# Altium PCB motordriver-v5.1_willem.PcbDoc (part 4 of 6)
Units mil, origin at the board's own origin, x right, y up, seen from the top; angles counter-clockwise.
Board outline 3985.43 x 6141.73 mil, 4 copper layers (Top Copper, Signal Layer 1, Signal Layer 2, Bottom Copper), stack 46.063 mil thick; 731 components, 510 nets, 2436 pads, 771 vias.
Unrouted connection lines stored in the file: 766.
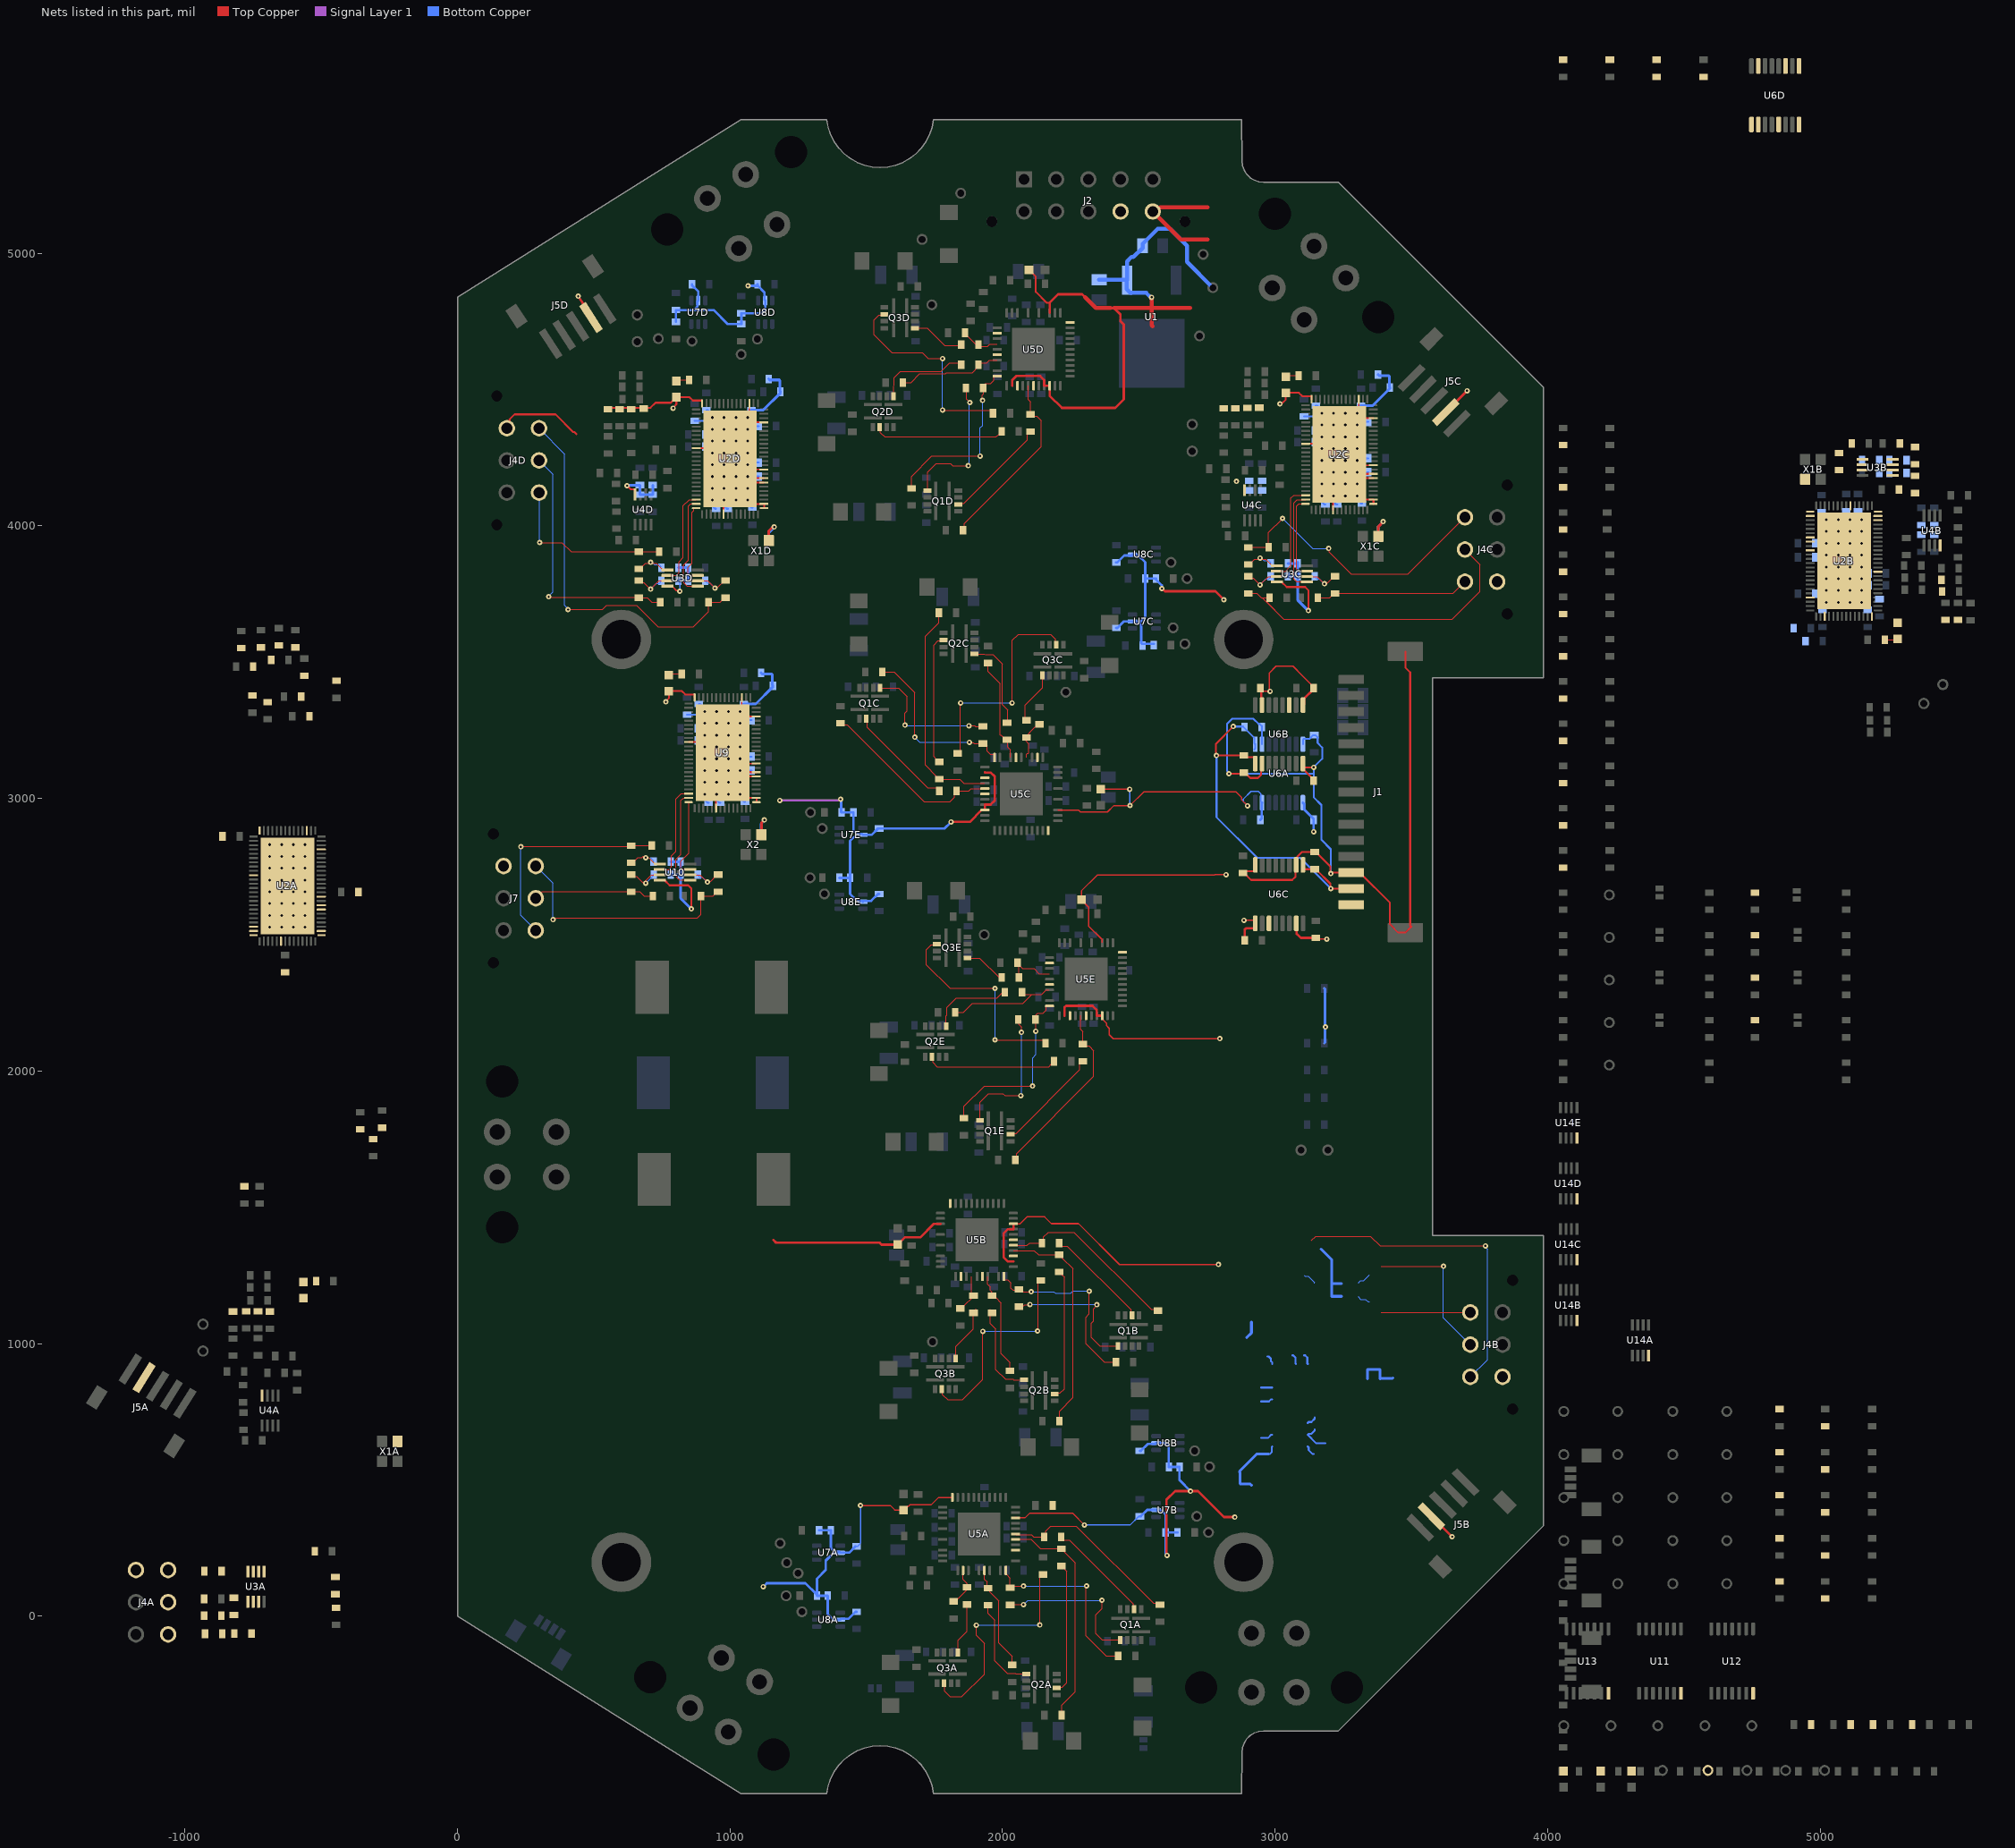
[diagram p6: the nets of this part, all layers, seen from the top]

## Via types
v1: diameter 19.68, hole 7.87, Top Copper to Bottom Copper, tented both sides, 476 vias
v2: diameter 24, hole 10, Top Copper to Bottom Copper, 160 vias
v3: diameter 19.68, hole 7.87, Top Copper to Bottom Copper, 80 vias
v4: diameter 30, hole 15, Top Copper to Bottom Copper, tented both sides, 55 vias

## Nets (pads, with @x,y where several pads share a name; then routed paths per layer and width w, separated by ;. In a path a pad name is that pad's centre, name@x,y a point inside that pad or via, vN(x,y) a via of type N, cw(c..) or ccw(c..) an arc to the next point about the centre after c; other vN are vias at no path point) (continued)
GND: C1.1 C2.1 C4A.1 C4B.1 C4C.1 C4D.1 C5A.1 C5B.1 C5C.1 C5D.1 C6A.1 C6B.1 C6C.1 C6D.1 C7A.1 C7B.1 C7C.1 C7D.1 C8A.1 C8B.1 C8C.1 C8D.1 C9A.1 C9B.1 C9C.1 C9D.1 C10A.1 C10B.1 C10C.1 C10D.1 C11A.1 C11B.1 C11C.1 C11D.1 C12A.1 C12B.1 C12C.1 C12D.1 C13A.1 C13B.1 C13C.1 C13D.1 C14A.1 C14B.1 C14C.1 C14D.1 C15A.1 C15B.1 C15C.1 C15D.1 C16A.1 C16B.1 C16C.1 C16D.1 C17A.1 C17B.1 C17C.1 C17D.1 C18A.1 C18B.1 C18C.1 C18D.1 C19A.1 C19B.1 C19C.1 C19D.1 C20A.1 C20B.1 C20C.1 C20D.1 C21A.1 C21B.1 C21C.1 C21D.1 C22A.1 C22B.1 C22C.1 C22D.1 C23A.1 C23B.1 C23C.1 C23D.1 C24A.1 C24B.1 C24C.1 C24D.1 C25A.1 C25B.1 C25C.1 C25D.1 C26A.1 C26B.1 C26C.1 C26D.1 C27A.1 C27B.1 C27C.1 C27D.1 C45A.1 C45B.1 C45C.1 C45D.1 C46A.1 C46B.1 C46C.1 C46D.1 C46E.1 C47A.1 C47B.1 C47C.1 C47D.1 C47E.1 C48A.1 C48B.1 C48C.1 C48D.1 C48E.1 C49A.1 C49B.1 C49C.1 C49D.1 C49E.1 C50A.1 C50B.1 C50C.1 C50D.1 C50E.1 C51A.1 C51B.1 C51C.1 C51D.1 C51E.1 C52.1 C53.1 C54.1 C55.1 C56.1 C57.1 C58.1 C59.1 C60.1 C61.1 C62.1 C63.1 C64.1 C65.1 C66.1 C67.1 C68.1 C69.1 C70A.1 C70B.1 C70C.1 C70D.1 C70E.1 C72.1 C73.1 C74C.1 D2A.2 D2B.2 D2C.2 D2D.2 D6A.2 D6B.2 D6C.2 D6D.2 D6E.2 D7.2 D8.2 D9.2 D10.2 J2.9 J2.10 J4A.4 J4B.4 J4C.4 J4D.4 J5A.4 J5B.4 J5C.4 J5D.4 J7.4 R20A.2 R20B.2 R20C.2 R20D.2 R21A.2 R21B.2 R21C.2 R21D.2 R58A.2 R58B.2 R58C.2 R58D.2 R68A.2 R68B.2 R68C.2 R68D.2 R68E.2 R72A.2 R72B.2 R72C.2 R72D.2 R72E.2 R79.2 R80.2 TP9.1 U1.1 U2A.3 U2A.14 U2A.24 U2A.44 U2A.53 U2A.54 U2A.59 U2A.60 U2A.62 U2A.73 U2A.77 U2B.3 U2B.14 U2B.24 U2B.44 U2B.53 U2B.54 U2B.59 U2B.60 U2B.62 U2B.73 U2B.77 U2C.3 U2C.14 U2C.24 U2C.44 U2C.53 U2C.54 U2C.59 U2C.60 U2C.62 U2C.73 U2C.77 U2D.3 U2D.14 U2D.24 U2D.44 U2D.53 U2D.54 U2D.59 U2D.60 U2D.62 U2D.73 U2D.77 U3A.4 U3B.4 U3C.4 U3D.4 U4A.4 U4B.4 U4C.4 U4D.4 U5A.2 U5A.8 U5A.21 U5B.2 U5B.8 U5B.21 U5C.2 U5C.8 U5C.21 U5D.2 U5D.8 U5D.21 U5E.2 U5E.8 U5E.21 U6A.9 U6A.15 U6B.9 U6B.15 U6C.9 U6C.15 U6D.9 U6D.15 U7A.2 U7B.2 U7C.2 U7D.2 U7E.2 U8A.2 U8B.2 U8C.2 U8D.2 U8E.2 U9.3 U9.14 U9.24 U9.44 U9.53 U9.54 U9.59 U9.60 U9.62 U9.73 U9.77 U10.4 U11.7 U12.7 U13.7 U14A.4 U14B.4 U14C.4 U14D.4 U14E.4 X1A.2 X1B.2 X1C.2 X1D.2 X2.2 | length 22460.9
  Top Copper w5: U3D.4@770.67,3778.7 787.4,3778.7 803.3,3762.81 813.13,3762.81 v1(815.94,3760) ; v2(1037.48,3145.63) 1055.2,3127.91 U9.62@1096.54,3127.91 ; v2(1037.48,3318.86) 1043.39,3324.76 U9.3@1043.39,3370.04 ; v2(1065.04,4181.06) 1090.63,4206.65 U2D.62@1124.09,4206.65 ; v2(1065.04,4397.6) 1070.94,4403.5 U2D.3@1070.94,4448.78 ; v1(1479,406) 1588,406 1604.64,389.36 D6A.2@1636.79,389.36 1650.04,402.61 1654.61,402.61 1660,408 1738,408 1765.19,435.19 U5A.21@1815.64,435.19 ; U5B.8@2040.05,1439.13 2064.15,1439.13 2089.63,1464.61 2154.62,1464.61 2179.37,1439.87 2278.99,1439.87 2429.03,1289.82 v1(2792,1289.82) ; U5A.8@2047.92,360.39 U5A.8@2050.34,362.81 ; U5A.8@2050.34,360.39 2082.39,360.39 2100,378 2256.73,378 v1(2300.48,334.25) ; 2202.98,2957.44 2278.56,2957.44 2286,2950 2385,2950 2409,2974 v1(2468,2974) 2518.34,3024.34 2857.18,3024.34 2876.69,3004.84 2876.69,2995.31 v1(2899,2973) ; D6C.2@2360.39,3033.47 v1(2467,3033.47) ; U5E.8@2365.39,2202.98 2365.39,2191.17 2381.49,2175.07 2381.49,2166.57 2391.9,2156.17 2391.9,2133.17 2406.67,2118.39 2796.39,2118.39 v1(2797,2119) ; 2365.39,2470.69 2365.39,2482.5 2316.38,2531.52 2316.38,2601.1 D6E.2@2289.37,2628.11 2289.37,2660.48 2347.14,2718.25 2777.21,2718.25 2778.96,2720 v1(2820,2720) ; v1(2886,2553) 2921.81,2553 2927.74,2547.07 U6C.9@2927.74,2541.61 ; C45B.1@2946.36,3404.31 C45B.1@2946.36,3405.24 ; C45B.1@2952.29,3398.38 2952.29,3396.85 2955.67,3393.48 2976.74,3393.48 v1@2979,3395.74 ; v1(2981.76,3392.98) v1@2979,3395.74 ; R58B.2@3141.36,3401.3 3141.36,3409.17 3099.02,3451.51 3099.02,3451.98 3066,3485 3004,3485 2979,3460 v1@2979,3395.74 ; C45C.1@3149.61,2488.19 3153.8,2484 v1(3190,2484) ; v2(3301.26,4240.12) 3318.98,4222.4 U2C.62@3360.31,4222.4 ; v2(3301.26,4413.35) 3307.17,4419.25 U2C.3@3307.17,4464.53
  Top Copper w7: J4D.4@181.1,4358.27 191.29,4368.45 191.29,4390.64 209.65,4409 359.86,4409 424.54,4344.32 428.69,4344.32 437,4336.01 ; C4D.1@552,4433.5 594,4433.5 637,4433.5 684,4433.5 708.5,4433.5 727,4452 782.71,4452 D2D.2@803.15,4472.44 ; v1(622.16,4147.38) 635.26,4134.28 647.91,4134.28 651.47,4130.72 U4D.4@651.47,4115.31 ; U10.4@743.11,2699.96 759.84,2699.96 778.7,2681.1 846.46,2681.1 858.27,2669.29 v1(858.27,2594.49) ; v1(764.43,3354.32) 764.43,3356.29 775.59,3367.45 D7.2@775.59,3393.7 823.74,3393.7 835.96,3381.48 870.07,3381.48 870.16,3381.39 U9.14@870.16,3370.04 ; v1(791.25,4431.79) 791.25,4434.29 803.15,4446.19 D2D.2@803.15,4472.44 ; U9.24@848.5,3206.65 889.84,3206.65 v2(907.56,3188.94) ; U2D.24@876.06,4285.39 917.4,4285.39 v2(935.12,4267.68) ; U2D.14@897.72,4448.78 897.72,4460.13 897.63,4460.22 863.52,4460.22 851.3,4472.44 D2D.2@803.15,4472.44 ; U9.44@948.9,2964.53 948.9,3013.74 v2(950.87,3015.71) ; U2D.44@976.46,4043.27 976.46,4092.48 v2(978.43,4094.45) ; v2(1037.48,3015.71) 1051.26,3001.93 1097.43,3001.93 1097.52,3001.84 1097.52,2986.27 1097.43,2986.18 U9.53@1096.54,2986.18 ; v2(1037.48,3059.02) 1059.13,3080.67 U9.59@1096.54,3080.67 ; v2(1037.48,3102.32) 1043.39,3096.42 U9.60@1096.54,3096.42 ; v2(1037.48,3318.86) 1055.2,3301.14 U9.73@1096.54,3301.14 ; v2(1065.04,4094.45) 1078.82,4080.67 1124.99,4080.67 1125.08,4080.58 1125.08,4065.01 1124.99,4064.92 U2D.53@1124.09,4064.92 ; v2(1065.04,4137.76) 1086.69,4159.41 U2D.59@1124.09,4159.41 ; v2(1065.04,4181.06) 1070.94,4175.16 U2D.60@1124.09,4175.16 ; v2(1065.04,4224.37) U2D.77@1082.76,4206.65 ; v2(1065.04,4397.6) 1082.76,4379.88 U2D.73@1124.09,4379.88 ; D6D.2@2097.05,4939.13 2122.05,4914.13 2122.05,4858.27 2161.57,4818.74 2173.07,4818.74 ; U3C.4@3006.89,3794.45 3023.62,3794.45 3042.48,3775.59 3110.23,3775.59 3122.05,3763.78 v1(3122.05,3688.98) ; v1(3018.2,4447.84) 3020.63,4450.27 3026.01,4450.27 3039.37,4463.63 D2C.2@3039.37,4488.19 3087.52,4488.19 3099.74,4475.97 3133.85,4475.97 3133.94,4475.88 U2C.14@3133.94,4464.53 ; U2C.24@3112.28,4301.14 3153.62,4301.14 v2(3171.34,4283.42) ; U2C.44@3212.68,4059.02 3212.68,4108.23 v2(3214.65,4110.2) ; v2(3301.26,4110.2) 3315.04,4096.42 3361.21,4096.42 3361.3,4096.33 3361.3,4080.76 3361.21,4080.67 U2C.53@3360.31,4080.67 ; v2(3301.26,4153.5) 3322.91,4175.16 U2C.59@3360.31,4175.16 ; v2(3301.26,4196.81) 3307.17,4190.91 U2C.60@3360.31,4190.91 ; v2(3301.26,4413.35) 3318.98,4395.63 U2C.73@3360.31,4395.63
  Top Copper w9: v1(442.91,4842.52) 463,4811.65 J5D.4@490.44,4764.49 ; 1159.59,1379.72 1169.14,1370.18 1549.03,1370.18 1556.11,1363.11 D6B.2@1614.92,1363.1 1641.26,1389.45 1697.63,1389.45 1747.31,1439.13 1772.33,1439.13 ; v1(1811,2914) 1880.01,2914 1923.45,2957.44 U5C.8@1935.26,2957.44 1935.26,2977.13 1935.52,2977.39 1956.56,2977.39 1971.37,2992.21 1971.37,3080.16 1956.56,3094.97 1935.52,3094.97 1935.26,3095.24 ; 2035.28,4514 2035.54,4514.26 2035.54,4535.3 2050.35,4550.11 2138.31,4550.11 2153.12,4535.3 2153.12,4514.26 2153.39,4514 U5D.8@2173.07,4514 2173.07,4477.73 2217.8,4433 2414,4433 2445,4464 2445,4739 2432.51,4751.49 2432.51,4776.15 2409.45,4799.21 2397,4799.21 ; 2040.05,1301.33 2039.79,1301.6 2018.75,1301.6 2003.94,1316.41 2003.94,1404.36 2018.75,1419.18 2039.79,1419.18 2040.05,1419.44 U5B.8@2040.05,1439.13 ; 2173.07,4781.72 2173.07,4818.74 2203.99,4849.66 2292.07,4849.66 2303.15,4838.58 ; 2227.6,2202.98 2227.6,2233.82 2232.87,2239.09 2330.63,2239.09 2345.44,2224.27 2345.44,2203.24 2345.71,2202.98 U5E.8@2365.39,2202.98 ; v1(2585,3770) 2585.61,3770 2595.61,3760 2781,3760 v1(2812,3729) ; v1(2603.43,222.58) 2601.66,224.35 2601.66,426.85 2633.49,458.67 2656.64,458.67 2657.05,458.26 v1(2690.04,458.26) 2717.14,458.26 2812.22,363.17 v1(2852.56,363.17) ; R58C.2@2888.74,2478.9 2888.74,2518.66 2894.01,2523.93 2923.38,2523.93 2927.74,2528.29 U6C.9@2927.74,2541.61 ; C45B.1@2949.36,3395.44 2949.36,3345.52 U6B.15@2952.36,3342.52 ; U6C.15@3077.74,2541.61 3079.32,2540.03 3079.32,2503.35 3094.48,2488.19 C45C.1@3149.61,2488.19 ; U6B.9@3102.36,3342.52 3106.72,3346.88 3106.72,3366.66 R58B.2@3141.36,3401.3 ; J5B.4@3574.23,366.29 3574.66,366.29 v1(3649.61,291.34) ; J5C.4@3625.98,4417.32 v1(3704.72,4496.06)
  Top Copper w10: X2.2@1115.16,2867.13 1115.16,2910.43 v1(1125.98,2921.26) ; X1D.2@1142.72,3945.87 1142.72,3981.54 1155.26,3994.08 1160.66,3994.08 v1(1162.51,3995.93) ; X1C.2@3378.94,3961.61 3378.94,3997.72 v1(3396.56,4015.34)
  Top Copper w15: 2303.15,4838.58 2342.52,4799.21 2397,4799.21 ; 2409.45,4799.21 2547.24,4799.21 ; v1(2547.24,4838.58) 2547.24,4799.21 ; 2551.18,4732.28 2547.24,4736.22 2547.24,4799.21 ; 2688.98,4799.21 2547.24,4799.21 ; 2751.97,5051.18 2653.54,5051.18 J2.10@2551.18,5153.54 2563.32,5153.54 2579.06,5169.29 2751.97,5169.29
  Signal Layer 1 w9: v1(1182.22,2992.77) 1398.88,2992.77 1403.11,2997 v1(1406,2997)
  Bottom Copper w5: C9D.1@811.02,3799.21 815.94,3794.3 v1(815.94,3760) ; C50A.1@1460.63,255.91 1468.5,255.91 1477.82,265.22 1477.82,266.96 1479,268.15 v1(1479,406) ; v1(2300.48,334.25) 2468.11,334.25 2500,366.14 C50B.1@2503.94,366.14 ; v1(2467,3033.47) 2467.5,3032.97 2467.5,2974.5 v1(2468,2974) ; v1(2899,2973) 2883,2989 2883,2997 2912,3026 2939.07,3026 2947.4,3017.67 2947.4,2989.22 U6A.15@2952.36,2984.25
  Bottom Copper w7: C59.1@842.52,3307.09 876.02,3307.09 885.06,3316.12 904.82,3316.12 v2(907.56,3318.86) 904.31,3322.11 904.31,3331.91 889.76,3346.46 C64.1@885.83,3346.46 ; C14D.1@870.08,4385.83 903.58,4385.83 v2(935.12,4354.29) 931.87,4351.04 921.9,4351.04 909.45,4338.58 C12D.1@909.45,4334.65 ; C57.1@881.53,3257.66 881.53,3261.6 895.49,3275.55 v2(907.56,3275.55) ; C58.1@881.89,3212.6 881.89,3216.54 890.2,3224.85 894.14,3224.85 898.28,3228.99 904.31,3228.99 v2(907.56,3232.24) ; v2(907.56,3015.71) 909.01,3014.26 909.01,2992.56 917.32,2984.25 C69.1@921.26,2984.25 ; C13D.1@909.45,4291.34 909.45,4295.28 921.9,4307.73 931.87,4307.73 v2(935.12,4310.98) ; C22D.1@913.39,4425.2 917.32,4425.2 931.87,4410.65 931.87,4400.85 v2(935.12,4397.6) ; v2(935.12,4094.45) 936.57,4093 936.57,4071.3 944.88,4062.99 C27D.1@948.82,4062.99 ; v2(950.87,3015.71) 952.32,3014.26 952.32,2992.56 960.63,2984.25 C60.1@964.57,2984.25 ; v2(978.43,4094.45) 979.88,4093 979.88,4071.3 988.19,4062.99 C15D.1@992.13,4062.99 ; v2(1037.48,3015.71) 1037.48,3011.11 1042.87,3005.72 1042.87,2996.5 1051.18,2988.19 C68.1@1055.12,2988.19 ; v2(1037.48,3102.32) 1078.7,3102.32 C67.1@1078.74,3102.36 ; v2(1037.48,3145.63) 1042.08,3145.63 1049.99,3153.54 C61.1@1078.74,3153.54 ; v2(1037.48,3275.55) 1042.08,3275.55 1053.93,3287.4 C66.1@1078.74,3287.4 ; v2(1037.48,3318.86) 1038.93,3320.31 1038.93,3338.15 1047.24,3346.46 C65.1@1051.18,3346.46 ; v2(1065.04,4094.45) 1065.04,4089.85 1070.43,4084.46 1070.43,4075.24 1078.74,4066.93 C26D.1@1082.68,4066.93 ; v2(1065.04,4181.06) 1106.26,4181.06 C25D.1@1106.3,4181.1 ; v2(1065.04,4224.37) 1069.64,4224.37 1077.55,4232.28 C16D.1@1106.3,4232.28 ; v2(1065.04,4354.29) 1069.64,4354.29 1081.49,4366.14 C24D.1@1106.3,4366.14 ; v2(1065.04,4397.6) 1066.49,4399.05 1066.49,4416.89 1074.8,4425.2 C23D.1@1078.74,4425.2 ; 2948.82,653.54 2973.63,653.54 2985.48,665.39 2990.08,665.39 ; 2948.82,787.4 2977.57,787.4 2985.48,795.32 2990.08,795.32 ; 2948.82,838.58 2948.86,838.62 2990.08,838.62 ; 2972.44,952.76 2976.38,952.76 2984.69,944.45 2984.69,935.23 2990.08,929.84 2990.08,925.24 ; 2976.38,594.49 2980.32,594.49 2988.63,602.8 2988.63,620.63 2990.08,622.09 ; 3062.99,956.69 3066.93,956.69 3075.24,948.38 3075.24,926.69 3076.69,925.24 ; 3106.3,956.69 3110.24,956.69 3118.55,948.38 3118.55,926.69 3120,925.24 ; C14C.1@3106.3,4401.57 3139.8,4401.57 3171.34,4370.04 3168.09,4366.79 3158.12,4366.79 3145.67,4354.33 C12C.1@3145.67,4350.39 ; 3120,622.09 3123.25,618.83 3123.25,609.03 3137.8,594.49 3141.73,594.49 ; 3120,708.7 3123.25,711.95 3133.21,711.95 3145.67,724.41 3145.67,728.35 ; 3145.67,685.04 3145.67,681.1 3133.21,668.65 3123.25,668.65 3120,665.39 3151.54,633.86 3185.04,633.86 ; C13C.1@3145.67,4307.09 3145.67,4311.02 3158.12,4323.48 3168.09,4323.48 v2(3171.34,4326.73) ; C22C.1@3149.61,4440.94 3153.54,4440.94 3168.09,4426.4 3168.09,4416.6 v2(3171.34,4413.35) ; v2(3171.34,4110.2) 3172.79,4108.74 3172.79,4087.05 3181.1,4078.74 C27C.1@3185.04,4078.74 ; v2(3214.65,4110.2) 3216.1,4108.74 3216.1,4087.05 3224.41,4078.74 C15C.1@3228.35,4078.74 ; v2(3301.26,4110.2) 3301.26,4105.6 3306.65,4100.21 3306.65,4090.99 3314.96,4082.68 C26C.1@3318.9,4082.68 ; v2(3301.26,4196.81) 3342.48,4196.81 C25C.1@3342.52,4196.85 ; v2(3301.26,4240.12) 3305.86,4240.12 3313.77,4248.03 C16C.1@3342.52,4248.03 ; v2@3301.26,4370.04 3305.86,4370.04 3317.71,4381.89 C24C.1@3342.52,4381.89 ; v2(3301.26,4413.35) 3302.71,4414.8 3302.71,4432.63 3311.02,4440.94 C23C.1@3314.96,4440.94
  Bottom Copper w9: v1@624.13,4149.35 C18D.1@667.44,4149.35 ; C46D.1@801.5,4748.55 C51D.1@801.5,4791.85 867.14,4791.85 ; C50D.1@860.55,4886.34 860.55,4882.4 883.86,4859.1 U7D.2@883.86,4826.77 880.64,4823.56 880.64,4805.36 867.14,4791.85 ; v1(1065.87,4880.98) 1099.28,4880.98 C47D.1@1100.71,4882.4 ; C47D.1@1100.71,4886.34 C47D.1@1100.71,4882.4 ; v1(1121.83,107.78) 1134.83,120.78 1276.86,120.78 C49A.1@1318.9,78.74 ; C46A.1@1326.77,314.96 C51A.1@1370.08,314.96 1370.08,249.32 1383.58,235.81 ; C49E.1@1401.57,2708.66 C48E.1@1440.94,2708.66 ; v1(1406,2997) 1407.72,2995.28 1407.72,2950.54 C46E.1@1409.45,2948.82 C51E.1@1452.76,2948.82 1452.76,2883.18 1466.26,2869.67 ; C50A.1@1460.63,255.91 1437.32,232.6 U7A.2@1405,232.6 1401.78,235.81 1383.58,235.81 ; C47A.1@1464.57,15.75 1460.63,15.75 1435.22,-9.66 1408.22,-9.66 U8A.2@1405,-12.87 1378.34,-12.87 1358.27,7.2 C48A.1@1358.27,74.8 C49A.1@1318.9,74.8 C49A.1@1318.9,78.74 ; C47E.1@1547.25,2649.6 1543.31,2649.61 1517.9,2624.2 1490.89,2624.2 U8E.2@1487.68,2620.98 1484.46,2624.2 1466.26,2624.2 1440.94,2649.52 C48E.1@1440.94,2708.66 ; v1(1811,2914) 1786.76,2889.76 C50E.1@1547.25,2889.76 1543.31,2889.76 1520,2866.46 U7E.2@1487.68,2866.46 1484.46,2869.67 1466.26,2869.67 ; C50C.1@2417.32,3625.98 2421.26,3625.98 2444.57,3649.29 U7C.2@2476.89,3649.29 ; C47C.1@2417.32,3866.14 2421.26,3866.14 2446.67,3891.55 2473.67,3891.55 U8C.2@2476.89,3894.76 2480.11,3891.55 2498.31,3891.55 2523.62,3866.23 C48C.1@2523.62,3807.09 ; C50B.1@2503.94,366.14 2507.87,366.14 2531.18,389.45 U7B.2@2563.5,389.45 2566.72,386.23 2584.92,386.23 2598.42,372.73 C51B.1@2598.43,307.09 ; C47B.1@2503.94,606.3 2507.87,606.3 2533.28,631.71 2560.29,631.71 U8B.2@2563.5,634.92 2597.36,634.92 2610.24,622.05 C48B.1@2610.24,547.24 C49B.1@2649.61,547.24 2649.61,498.69 v1(2690.04,458.26) ; C46C.1@2555.12,3566.93 2511.81,3566.93 2509.11,3569.63 2509.11,3635.28 2498.31,3646.08 2480.11,3646.08 U7C.2@2476.89,3649.29 ; v1(2585,3770) 2585,3781.14 2562.99,3803.15 C49C.1@2562.99,3807.09 C48C.1@2523.62,3807.09 ; v1(2603.43,222.58) 2603.43,225.47 2598.43,230.48 C51B.1@2598.43,307.09 ; C46B.1@2641.73,307.09 C51B.1@2598.43,307.09 ; C45A.1@2946.36,2921.54 2950.72,2925.9 2950.72,2982.61 U6A.15@2952.36,2984.25 ; U6A.9@3102.36,2984.25 3106.72,2979.89 3106.72,2960.11 3141.36,2925.47 R58A.2@3141.36,2921.54 3141.68,2921.21 3141.68,2878.32 v1(3142,2878) ; 3181.1,2102.36 3183.07,2104.33 3183.07,2159.45 v1(3185.04,2161.42) 3183.07,2163.39 3183.07,2301.18 3181.1,2303.15 ; 3385.83,870.08 3387.79,872.05 3431.1,872.05 3433.07,874.02 ; 867.14,4791.85 940.43,4791.85 991.61,4740.67 C49D.1@1041.65,4740.67 C48D.1@1041.65,4780.04 1116.46,4780.04 1129.33,4792.92 U8D.2@1129.33,4826.77 1126.11,4829.99 1126.11,4857 C47D.1@1100.71,4882.4 ; C49A.1@1318.9,78.74 1318.9,137.13 1351.24,169.47 1351.24,203.47 1383.58,235.81 ; C48E.1@1440.94,2708.66 1440.94,2844.36 1466.26,2869.67 ; U7C.2@2476.89,3649.29 2507.56,3649.29 2523.62,3665.35 C48C.1@2523.62,3807.09
  Bottom Copper w10: C18D.1@669.29,4149.61 C19D.1@669.29,4114.17 C11D.1@716.54,4114.17 C17D.1@716.54,4149.61 ; C55.1@783.46,2720.47 C56.1@818.9,2720.47 ; C54.1@783.46,2767.72 C53.1@818.9,2767.72 ; C9D.1@811.02,3799.21 C10D.1@846.46,3799.21 C7D.1@846.46,3846.46 ; C8D.1@811.02,3846.46 C7D.1@846.46,3846.46 ; C53.1@818.9,2771.65 C53.1@818.9,2767.72 ; C7D.1@846.46,3850.39 C7D.1@846.46,3846.46 ; v1(858.27,2594.49) 818.9,2633.86 C56.1@818.9,2720.47 ; C65.1@1051.18,3346.46 1094.49,3346.46 1157.48,3409.45 C62.1@1157.48,3413.39 1155.4,3415.47 1155.4,3454.84 1153.54,3456.69 1118.11,3456.69 C63.1@1114.17,3460.63 ; C23D.1@1078.74,4425.2 1122.05,4425.2 1185.04,4488.19 C20D.1@1185.04,4492.13 1182.96,4494.21 1182.96,4533.58 1181.1,4535.43 1145.67,4535.43 C21D.1@1141.73,4539.37 ; C52.1@1114.17,2862.2 1114.17,2906.83 1125.98,2918.64 v1(1125.98,2921.26) ; C6D.1@1141.73,3940.94 1141.73,3974.51 1162.51,3995.29 v1(1162.51,3995.93) ; 2895.75,1021.27 2913.39,1038.9 2913.39,1078.74 ; 2913.39,480.32 2909.45,484.25 2874.02,484.25 2872.16,486.11 2872.16,525.48 2870.08,527.56 2870.08,531.5 2933.07,594.49 2976.38,594.49 ; C9C.1@3047.24,3814.96 C10C.1@3082.68,3814.96 ; C8C.1@3047.24,3862.2 C7C.1@3082.68,3862.2 ; C7C.1@3082.68,3866.14 C7C.1@3082.68,3862.2 ; v1(3122.05,3688.98) 3082.68,3728.35 C10C.1@3082.68,3814.96 ; 3169.29,1346.46 3208.66,1307.09 3208.66,1220.47 3244.09,1220.47 ; 3207.53,1220.72 3208.66,1219.58 3208.66,1173.23 3244.09,1173.23 ; C23C.1@3314.96,4440.94 3358.27,4440.94 3421.26,4503.94 C20C.1@3421.26,4507.87 3419.18,4509.96 3419.18,4549.33 3417.32,4551.18 3381.89,4551.18 C21C.1@3377.95,4555.12 ; 3338.58,870.08 3338.58,905.51 3385.83,905.51 3385.83,870.08 ; C6C.1@3377.95,3956.69 3377.95,3996.73 v1(3396.56,4015.34) ; C56.1@818.9,2720.47 C53.1@818.9,2767.72 ; C10C.1@3082.68,3814.96 C7C.1@3082.68,3862.2
  Bottom Copper w15: C2.1@2354.33,4903.14 U1.1@2455.32,4903.14 ; v1(2547.24,4838.58) 2543.31,4838.58 2527.11,4854.78 2469.04,4854.78 2455.32,4868.5 U1.1@2455.32,4903.14 ; 2771.65,4874.02 2677.17,4968.5 2677.17,5027.56 2614.17,5090.55 2569.67,5090.55 2514.18,5035.06 2514.18,5020.06 2480.47,4986.35 2472.97,4986.35 2457.24,4970.62 U1.1@2457.24,4901.22 U1.1@2455.32,4903.14
  other v1: 2858.38,4163.13
  other v2: -688.96,2527.43 -645.65,2527.43 -602.35,2527.43 -559.04,2527.43 -688.96,2570.73 -645.65,2570.73 -602.35,2570.73 -559.04,2570.73 -688.96,2614.04 -645.65,2614.04 -602.35,2614.04 -559.04,2614.04 -688.96,2657.35 -645.65,2657.35 -602.35,2657.35 -559.04,2657.35 -688.96,2700.65 -645.65,2700.65 -602.35,2700.65 -559.04,2700.65 -688.96,2743.96 -645.65,2743.96 -602.35,2743.96 -559.04,2743.96 -688.96,2787.27 -645.65,2787.27 -602.35,2787.27 -559.04,2787.27 -688.96,2830.57 -645.65,2830.57 -602.35,2830.57 -559.04,2830.57 994.17,3015.71 907.56,3059.02 950.87,3059.02 994.17,3059.02 907.56,3102.32 950.87,3102.32 994.17,3102.32 907.56,3145.63 950.87,3145.63 994.17,3145.63 950.87,3188.94 994.17,3188.94 1037.48,3188.94 950.87,3232.24 994.17,3232.24 1037.48,3232.24 950.87,3275.55 994.17,3275.55 950.87,3318.86 994.17,3318.86 5023.08,3719.47 5066.39,3719.47 5109.69,3719.47 5153,3719.47 5023.08,3762.77 5066.39,3762.77 5109.69,3762.77 5153,3762.77 5023.08,3806.08 5066.39,3806.08 5109.69,3806.08 5153,3806.08 5023.08,3849.39 5066.39,3849.39 5109.69,3849.39 5153,3849.39 5023.08,3892.7 5066.39,3892.7 5109.69,3892.7 5153,3892.7 5023.08,3936 5066.39,3936 5109.69,3936 5153,3936 5023.08,3979.31 5066.39,3979.31 5109.69,3979.31 5153,3979.31 5023.08,4022.62 5066.39,4022.62 5109.69,4022.62 5153,4022.62 1021.73,4094.45 3257.95,4110.2 935.12,4137.76 978.43,4137.76 1021.73,4137.76 3171.34,4153.5 3214.65,4153.5 3257.95,4153.5 935.12,4181.06 978.43,4181.06 1021.73,4181.06 3171.34,4196.81 3214.65,4196.81 3257.95,4196.81 935.12,4224.37 978.43,4224.37 1021.73,4224.37 3171.34,4240.12 3214.65,4240.12 3257.95,4240.12 978.43,4267.68 1021.73,4267.68 1065.04,4267.68 3214.65,4283.42 3257.95,4283.42 3301.26,4283.42 978.43,4310.98 1021.73,4310.98 1065.04,4310.98 3214.65,4326.73 3257.95,4326.73 3301.26,4326.73 978.43,4354.29 1021.73,4354.29 3171.34,4370.04 3214.65,4370.04 3257.95,4370.04 3301.26,4370.04 978.43,4397.6 1021.73,4397.6 3214.65,4413.35 3257.95,4413.35